# Altium PCB 2-quilter-output.pcbdoc (part 14 of 17) (continued)
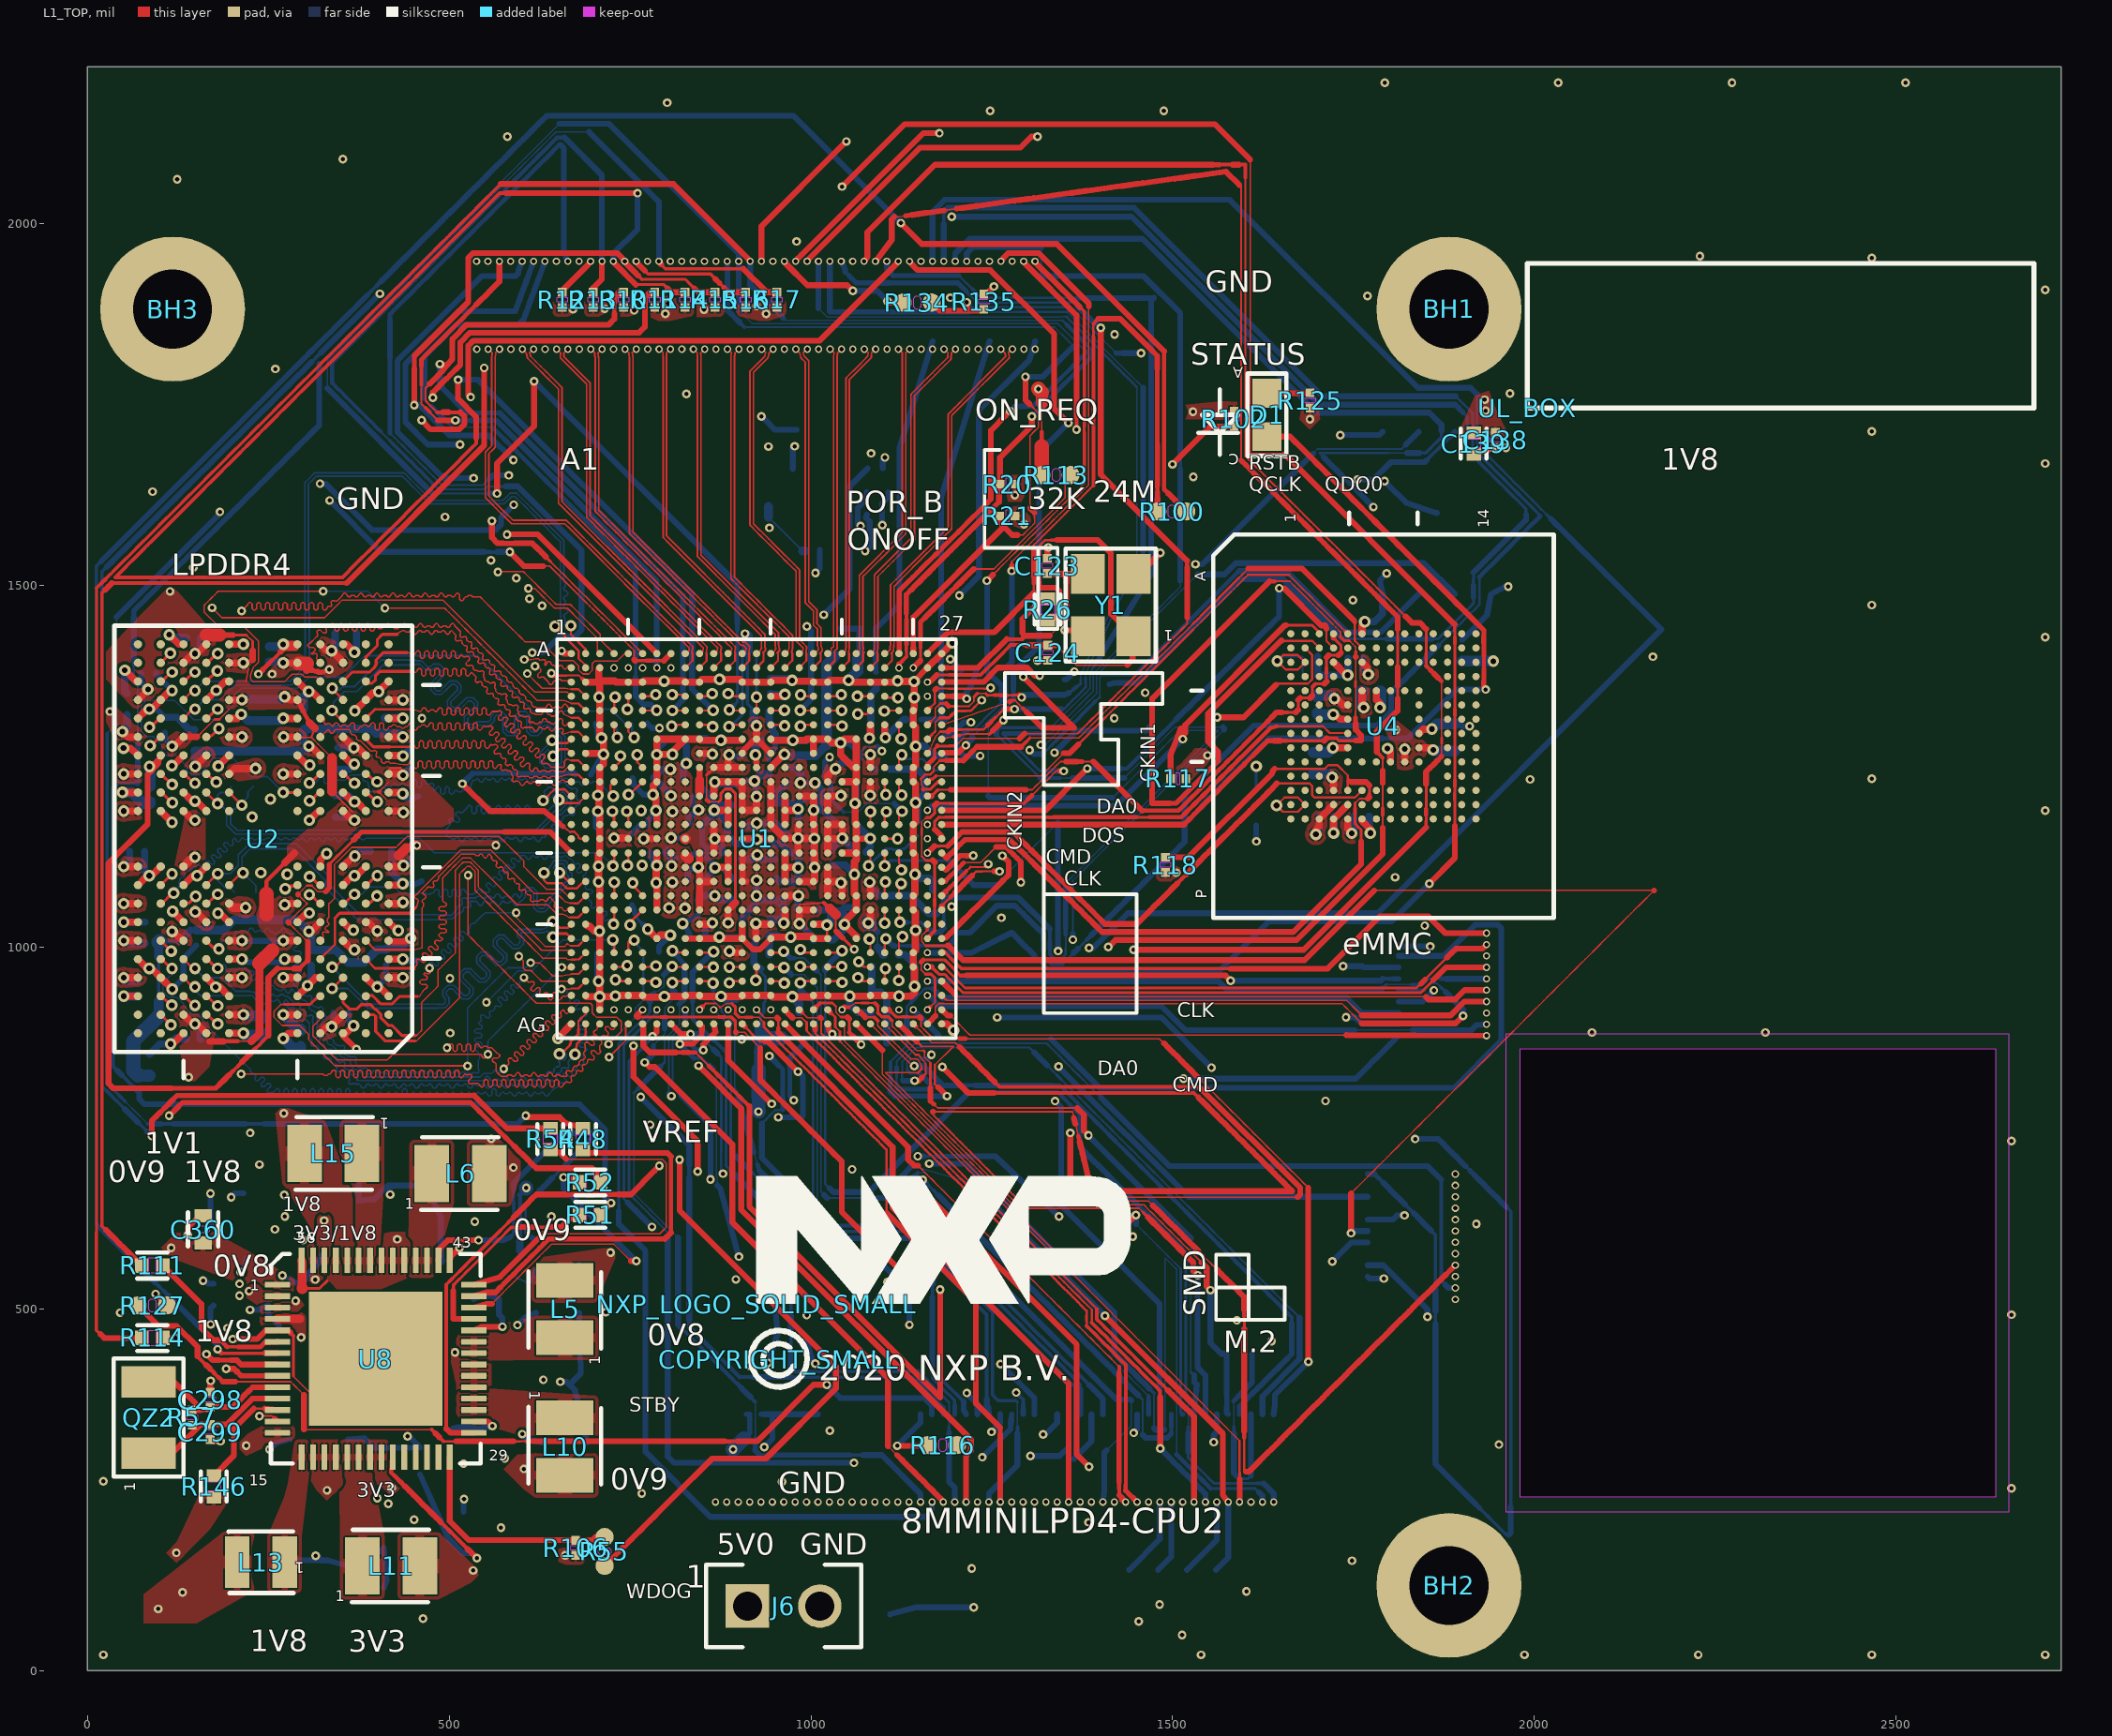
[diagram p0: L1_TOP view]
## Nets (pads, with @x,y where several pads share a name; then routed paths per layer and width w, separated by ;. In a path a pad name is that pad's centre, name@x,y a point inside that pad or via, vN(x,y) a via of type N, cw(c..) or ccw(c..) an arc to the next point about the centre after c; other vN are vias at no path point) (continued)
  L1_TOP w3.37: 1369.91,1280.64 1376.23,1286.96 1382.55,1293.28 1388.87,1299.6 1395.19,1305.92 1401.51,1312.24 1407.83,1318.57 ; 1420.48,1331.21 1426.8,1337.53 1433.12,1343.85 1439.44,1350.17 1445.76,1356.49 1452.08,1362.81 1458.4,1369.13 1464.72,1375.46 1471.04,1381.78 1477.37,1388.1 1483.69,1394.42 1490.01,1400.74 1496.33,1407.06 1502.65,1413.38 1508.97,1419.7 1515.29,1426.03 1521.61,1432.35 1527.94,1438.67 ; 1603.79,1514.52 1611.91,1514.52 1620.03,1514.52 1628.15,1514.52 1636.27,1514.52 1644.39,1514.52 1652.51,1514.52 1660.64,1514.52
  L1_TOP w3.96: U1.K26@1161.11,1228.64 1164.67,1232.18 1168.31,1232.19
  L1_TOP w4.54: 1168.31,1232.19 1173.13,1237.01
  L1_TOP w5.13: 1738.41,1436.75 U4.A5@1741.97,1433.21
  L1_TOP w8.05: 1349.23,1267.99 1357.25,1267.99 1363.58,1274.32 1369.91,1280.64
SD3_DATA3: U1.N26 U4.B2 | length 660.8
  L1_TOP w3: 1643.75,1364.25 1686.76,1364.25 1692.86,1370.35 1692.86,1403.58 U4.B2@1682.91,1413.53
  L1_TOP w8.05: v1(1561.45,1317.7) 1597.94,1317.7 1642.99,1362.75
  L3_INNER1 w6.29: 1170.79,1170.59 1179.46,1170.59 1188.14,1170.59 1196.81,1170.59 1205.48,1170.59 1214.16,1170.59 1222.83,1170.59 1231.5,1170.59 1240.18,1170.59 1248.85,1170.59 1257.52,1170.59 1266.2,1170.59 1274.87,1170.59
  L3_INNER1 w8.05: v3(1161.11,1169.58) 1162.11,1170.59 1170.79,1170.59 ; 1274.87,1170.59 1283.55,1170.59 1292.22,1170.59 1300.89,1170.59 1309.57,1170.59 1318.24,1170.59 1326.91,1170.59 1335.59,1170.59 1344.26,1170.59 1352.94,1170.59 1361.61,1170.59 1370.28,1170.59 1378.84,1170.59 1525.94,1317.7 1551.57,1317.7 v1(1561.45,1317.7)
SD3_DATA4: U1.N27 U4.B3 | length 1682.5
  L1_TOP w2: 1752.82,1325.76 1752.82,1334.16 1752.82,1342.56 ; 1752.82,1367.75 1752.82,1376.15 1752.82,1384.55
  L1_TOP w2.2: 1640.79,1505.79 1647.84,1505.79 1654.9,1505.79 1661.96,1505.79 1668.3,1499.44 1674.65,1493.09 1681,1486.75 1687.34,1480.4 1693.69,1474.05 1700.03,1467.71 1706.38,1461.36 1712.73,1455.02 1719.07,1448.67 1725.42,1442.32 1731.77,1435.98 1731.77,1429.31 ; 1744.33,1423.45 1748.77,1419.01 1752.82,1414.96 1752.82,1408.16 ; 1752.82,1342.56 1752.82,1350.96 1752.82,1359.35 ; 1752.82,1384.55 1752.82,1392.95 1752.82,1401.34
  L1_TOP w2.79: 1752.82,1317.36 1752.82,1325.76
  L1_TOP w3: 1652.17,1423.49 1692.64,1423.49 U4.B3@1702.6,1413.53
  L1_TOP w3.96: 1657.35,1285.31 1666.03,1285.31 1674.7,1285.31 1683.38,1285.31 1692.05,1285.31 1700.72,1285.31 1709.4,1285.31 ; 1737.63,1423.45 1744.33,1423.45 ; 1752.82,1359.35 1752.82,1367.75
  L1_TOP w4.54: 1726.36,1288.88 1729.69,1285.55 1737.31,1285.55 1744.93,1285.55 1752.56,1285.55 ; 1731.77,1429.31 1737.63,1423.45 ; 1752.82,1401.36 1752.82,1408.16
  L1_TOP w5.13: 1712.97,1288.88 1719.67,1288.88 1726.36,1288.88
  L1_TOP w5.71: 1633.73,1505.79 1640.79,1505.79
  L1_TOP w6.29: 1599.5,1253.49 1605.87,1259.85 1612.23,1266.22 ; 1648.68,1285.31 1657.35,1285.31 ; 1752.82,1308.96 1752.82,1317.36
  L1_TOP w6.88: 1198.58,1169.49 1207.42,1169.49 1216.26,1169.49 1225.1,1169.49 1233.93,1169.49 1242.77,1169.49 1251.61,1169.49 1260.45,1169.49 1269.29,1169.49 1278.12,1169.49 1286.96,1169.49 ; 1496.19,1198.94 1504.4,1198.94 1510.26,1204.79 1516.11,1210.65 1521.97,1216.51 1527.83,1222.36 1533.68,1228.22 1539.54,1234.08 1545.4,1239.93 1551.25,1245.79 1557.11,1251.65 1562.97,1257.5 1562.97,1263.77 ; 1516.75,1170.74 1523.12,1177.11 1529.49,1183.47 1535.85,1189.84 1542.22,1196.2 1548.58,1202.57 1554.95,1208.93 1561.31,1215.3 1567.68,1221.66 1574.04,1228.03 1580.41,1234.39 1586.77,1240.76 1593.14,1247.12 1599.5,1253.49 ; 1612.23,1266.22 1618.6,1272.58 1624.96,1278.95 1631.33,1285.31 1640,1285.31
  L1_TOP w8.05: U1.N27@1180.8,1169.58 1180.91,1169.49 1189.75,1169.49 1198.58,1169.49 ; 1286.96,1169.49 1295.8,1169.49 1304.64,1169.49 1313.47,1169.49 1322.31,1169.49 1331.15,1169.49 1339.99,1169.49 1348.83,1169.49 1357.66,1169.49 1366.5,1169.49 1375.34,1169.49 1384.18,1169.49 1393.01,1169.49 1401.85,1169.49 1410.69,1169.49 1419.53,1169.49 1428.37,1169.49 1437.2,1169.49 1446.04,1169.49 1454.88,1169.49 1463.72,1169.49 1472.56,1169.49 1481.39,1169.49 1490.23,1169.49 1499.07,1169.49 1507.91,1169.49 1515.51,1169.49 1516.75,1170.73 ; 1496.19,1198.94 1487.98,1198.94 1479.77,1198.94 1471.56,1198.94 1471.55,1343.62 1633.72,1505.79 ; 1562.97,1263.77 1562.97,1270.03 1548.88,1284.12 1548.88,1322.9 1649.86,1423.88 1650.67,1423.5 ; 1640,1285.31 1648.68,1285.31 ; 1709.4,1285.31 1712.97,1288.88 ; 1752.56,1285.55 1760.18,1285.55 1760.19,1293.23 1752.82,1300.6 1752.82,1308.96
SD3_DATA5: U1.M27 U4.B4 | length 735.2
  L1_TOP w3: 1712.51,1438.53 1712.51,1423.3 U4.B4@1722.28,1413.53
  L1_TOP w8.05: U1.M27@1180.8,1189.27 U1.M27@1180.8,1189.27 1324.47,1189.31 1376.16,1241 v1(1382.01,1246.85) ; v1(1647.14,1496.14) 1653.88,1496.14 1705.26,1444.76 1710.8,1444.76 1712.52,1440.04
  L8_BOT w5.71: 1428.91,1246.85 1436.73,1246.85 1442.92,1253.04 1449.1,1259.23 1455.29,1265.42 1461.48,1271.61 1467.67,1277.8 1473.86,1283.99 1480.05,1290.17 1486.24,1296.36 1492.42,1302.55 1498.61,1308.74 1504.8,1314.93
  L8_BOT w8.05: v1(1382.01,1246.85) 1389.83,1246.85 1397.65,1246.85 1405.46,1246.85 1413.28,1246.85 1421.09,1246.85 1428.91,1246.85 ; 1504.8,1314.93 1510.99,1321.12 1517.18,1327.31 1523.37,1333.49 1529.56,1339.68 1535.74,1345.87 1541.93,1352.06 1548.12,1358.25 1554.31,1364.44 1560.5,1370.63 1566.69,1376.82 1572.88,1383 1579.06,1389.19 1585.25,1395.38 1591.44,1401.57 1597.63,1407.76 1603.82,1413.95 1610.01,1420.14 1616.2,1426.32 1622.38,1432.51 1628.57,1438.7 1634.76,1444.89 1640.95,1451.08 1647.14,1457.27 v1(1647.14,1496.14)
SD3_DATA6: U1.L27 U4.B5
SD3_DATA7: U1.K27 U4.B6 | length 837.6
  L1_TOP w2: 1151.63,1232.25 1153.01,1228.8 1152.74,1226.11 1155.56,1218.5 ; 1302.81,1289.1 1311.23,1289.1 1319.65,1289.1 1328.07,1289.1 1336.48,1289.1 1344.9,1289.1 1353.32,1289.1 1361.74,1289.1 1370.16,1289.1
  L1_TOP w2.2: 1170.01,1243.76 1170.01,1249.81 1175,1254.8 1178.36,1258.16 ; 1370.16,1289.1 1376.49,1295.43 1382.82,1301.76 1389.14,1308.09 1395.47,1314.42 1401.8,1320.75 1408.13,1327.07 1414.46,1333.4 1420.79,1339.73 1427.11,1346.06 1433.44,1352.39 1439.77,1358.72 1446.1,1365.04 1452.43,1371.37 1458.76,1377.7 1465.08,1384.03 1471.41,1390.36 1477.74,1396.69 1484.07,1403.01 1490.4,1409.34 1496.73,1415.67 1503.05,1422 1509.38,1428.33 1515.71,1434.66 1522.04,1440.98 1528.37,1447.31 ; 1597.98,1516.92 1604.31,1523.25
  L1_TOP w2.79: 1591.65,1510.6 1597.98,1516.92
  L1_TOP w3: 1751.73,1447.19 1751.73,1423.45 U4.B6@1761.65,1413.53
  L1_TOP w3.37: 1151.63,1232.25 1154.75,1235.37 1158.27,1238.89 1165.14,1238.89 1168.38,1242.13 1170.01,1243.76 ; 1528.37,1447.31 1534.7,1453.64 1541.02,1459.97 1547.35,1466.3 1553.68,1472.63 1560.01,1478.95 1566.34,1485.28 1572.67,1491.61 1578.99,1497.94 1585.32,1504.27 1591.65,1510.6
  L1_TOP w3.96: 1155.56,1218.49 1160.58,1218.49 1165.72,1218.49
  L1_TOP w4.54: 1165.72,1218.49 1170.79,1223.57 U1.K27@1175.87,1228.64 ; 1178.36,1258.16 1186.45,1258.16 ; 1296.74,1283.04 1302.81,1289.1
  L1_TOP w5.13: U1.K27@1175.87,1228.64 U1.K27@1180.8,1228.64 ; 1290.68,1276.97 1296.74,1283.04
  L1_TOP w5.71: 1750.8,1451.28 1751.73,1448.7
  L1_TOP w6.88: 1186.45,1258.16 1194.53,1258.16 1202.61,1258.16 1210.7,1258.16 ; 1223.25,1270.7 1229.52,1276.97
  L1_TOP w7.46: 1216.98,1264.43 1223.25,1270.7
  L1_TOP w8.05: 1210.7,1258.16 1216.97,1264.43 ; 1229.52,1276.97 1290.68,1276.97 ; 1604.31,1523.25 1678.83,1523.25 1750.8,1451.28
SD3_STROBE: U1.P27 U4.H5 | length 655.1
  L1_TOP w3: 1644.96,1305.4 1707.6,1305.4 1717,1296 1741.39,1296 U4.H5@1741.97,1295.42
  L1_TOP w3.96: 1171.27,1162.72 1171.27,1166.71 1171.27,1173.98 ; 1177.01,1179.72 1185.83,1179.72 ; 1450.25,1179.72 1459.06,1179.72 1467.87,1179.72
  L1_TOP w4.54: 1171.27,1173.98 1177.01,1179.72 ; 1185.83,1179.72 1194.64,1179.72 1203.46,1179.72 1212.27,1179.72 1221.08,1179.72 1229.9,1179.72 1238.71,1179.72 1247.53,1179.72 1256.34,1179.72 1265.15,1179.72 1273.97,1179.72 1282.78,1179.72 1291.6,1179.72 1300.41,1179.72 1309.22,1179.72 1318.04,1179.72 1326.85,1179.72
  L1_TOP w5.13: 1326.85,1179.72 1335.67,1179.72
  L1_TOP w5.71: 1467.87,1179.72 1476.69,1179.72 1485.5,1179.72 1494.32,1179.72 1503.13,1179.72 1511.94,1179.72
  L1_TOP w6.29: 1335.67,1179.72 1344.48,1179.72 1353.29,1179.72 1362.11,1179.72 1370.92,1179.72 1379.74,1179.72 1388.55,1179.72 1397.36,1179.72 1406.18,1179.72 1414.99,1179.72 1423.81,1179.72 1432.62,1179.72 1441.43,1179.72 1450.25,1179.72 ; 1511.94,1179.72 1518.11,1185.88 1524.27,1192.04 1530.43,1198.21 1536.59,1204.37 1542.75,1210.53 1548.91,1216.69 1555.07,1222.85 1561.23,1229.01 1567.39,1235.17 1573.56,1241.33 1579.72,1247.49 1585.88,1253.65 1592.04,1259.82 1598.2,1265.98 1604.36,1272.14 1610.52,1278.3 1616.68,1284.46 1622.84,1290.62 1629,1296.78 1635.17,1302.94 1643.46,1305.39
  L1_TOP w8.05: 1171.27,1162.72 1180.79,1153.2 U1.P27@1180.8,1149.9
SPDIF_EXT_CLK: J5.63 U1.AF8 | length 1086.1
  L1_TOP w8.05: v1(754.98,863.78) 754.98,820.85 843.61,732.21 v1(843.61,690.06)
  L3_INNER1 w2: 769.23,878.03 774.93,883.74 780.64,889.44
  L3_INNER1 w2.79: 921.39,716.6 929.93,716.6 938.47,716.6 944.77,710.29 951.08,703.99 957.38,697.68 963.69,691.38 969.99,685.07 976.3,678.77 982.6,672.46 988.91,666.16 995.21,659.85 1001.52,653.55 1007.82,647.24 1014.13,640.94 1020.43,634.63 1026.74,628.33 1033.04,622.02 1039.35,615.72 1045.65,609.41 1051.96,603.11 1058.26,596.8 1064.57,590.5 1070.87,584.19 1077.18,577.89 1083.48,571.58 1089.79,565.28 1096.09,558.97 1096.09,551 ; 1096.09,527.09 1096.09,535.06 1096.09,543.03
  L3_INNER1 w3.96: 870.15,716.6 878.69,716.6 887.23,716.6 895.77,716.6 904.31,716.6 912.85,716.6 921.39,716.6
  L3_INNER1 w5.71: 1096.09,543.03 1096.09,551
  L3_INNER1 w6.29: 763.53,872.33 769.23,878.03
  L3_INNER1 w6.88: v1(754.98,863.78) 759.25,868.06 763.53,872.33 ; 864.84,711.29 870.15,716.6
  L3_INNER1 w8.05: 780.64,889.44 782.39,889.44 v3(806.78,913.68) ; v1(843.61,690.06) 848.92,695.37 854.23,700.68 859.54,705.98 864.84,711.29 ; 1096.09,527.09 1096.09,519.12 1096.09,511.14 1105.49,501.74 1145.64,501.74 1303.5,343.89 v1(1303.5,296.88)
  L8_BOT w6.88: 1349.92,303.2 1356.24,309.52 ; 1356.24,309.53 1356.24,318.53 1356.24,327.53 1356.24,336.53 1356.24,345.53 J5.63@1356.25,354.53
  L8_BOT w8.05: v1(1303.5,296.88) 1343.6,296.88 1349.92,303.2
SPDIF_RX: J5.59 U1.AG9
SPDIF_TX: J5.57 U1.AF9 | length 869.6
  L3_INNER1 w2: 976.05,713.97 982.06,707.96 988.07,701.95 994.23,695.79 1000.39,689.62 1006.56,683.46 1012.72,677.3 1018.88,671.14 1025.04,664.98 1031.2,658.82 1037.37,652.65 1043.53,646.49 1049.69,640.33 1055.85,634.17 1062.01,628.01 1068.17,621.85 1074.34,615.68 1080.5,609.52 1086.66,603.36 1092.82,597.2 1098.98,591.04 1105.14,584.87 1111.31,578.71 1117.47,572.55 1123.63,566.39 1129.79,560.23 1135.95,554.07 1142.12,547.9 1148.28,541.74 1154.44,535.58 1160.6,529.42 1160.6,521.61 1160.6,513.79
  L3_INNER1 w3.96: 867.23,794.12 875.77,794.12 884.31,794.12 892.85,794.12 901.38,794.12 909.92,794.12 918.46,794.12 927,794.12 935.53,794.12 944.07,794.12 952.61,794.12
  L3_INNER1 w6.88: 1160.6,513.79 1166.58,507.81 1172.57,501.83 1178.55,495.85 1184.53,489.86 1190.51,483.88 1196.49,477.9 1202.48,471.92 1208.46,465.93 1214.44,459.95 1220.42,453.97 1226.41,447.99 1232.39,442.01 1238.37,436.02 1244.35,430.04 1250.33,424.06
  L3_INNER1 w7.46: 952.61,794.12 958.47,788.26
  L3_INNER1 w8.05: v1(807.38,794.2) 807.47,794.12 816,794.12 824.54,794.12 833.08,794.12 841.62,794.12 850.16,794.12 858.69,794.12 867.23,794.12 ; 958.47,788.26 964.33,782.4 970.19,776.54 976.05,770.68 ; 976.05,713.97 976.05,770.67 ; 1250.33,424.06 v1(1261.83,424.06)
  L8_BOT w2: v1@803.73,797.86 803.73,806.13 803.73,814.39 803.73,822.66 803.73,830.93 803.73,839.2 803.73,847.47 803.73,855.74 803.73,864.01 803.73,872.28 809.41,877.96 815.1,883.65 820.79,889.34 826.48,895.03
  L8_BOT w7.46: 1286.49,399.4 1292.12,393.78 1297.74,388.15
  L8_BOT w8.05: v1@803.73,797.86 v1(807.38,794.2) ; 826.48,895.03 v3(826.47,913.68) ; v1(1261.83,424.06) 1269.61,416.28 1275.24,410.66 1280.86,405.03 1286.49,399.4 ; 1297.74,388.15 1303.37,382.52 1309,376.9 J5.57@1309.01,354.53
SWOUT_3V3: C410.1 U8.23 | length 336
  L1_TOP w5.71: U8.23@421.23,286.66 420.16,277.91 420.16,273.94 426.37,267.73 ; 488.44,205.66 494.65,199.45 500.86,193.24 507.07,187.03 513.27,180.83 519.48,174.62 525.69,168.41
  L1_TOP w6.29: 426.37,267.73 432.57,261.53
  L1_TOP w6.88: 432.57,261.53 438.78,255.32
  L1_TOP w7.46: U8.23@421.23,286.66 U8.23@422.31,295.4
  L1_TOP w8.05: 438.78,255.32 444.99,249.11 451.2,242.9 457.4,236.7 463.61,230.49 469.82,224.28 476.03,218.07 482.23,211.86 488.44,205.66 ; 525.69,168.41 531.9,162.2 v1(538.47,155.63)
  L8_BOT w8.05: C410.1@460,271 499.32,182.63 ; 499.32,182.62 519.25,162.7 531.4,162.7 v1(538.47,155.63)
SYS_NRST: J5.39 R127.1 | length 1266.9
  L1_TOP w2: 281.23,399.72 287.36,393.59 293.49,387.46 299.62,381.33 ; 299.62,333.41 308.43,333.41 317.24,333.41 326.05,333.41 334.86,333.41 343.67,333.41 352.48,333.41 361.29,333.41 370.1,333.41 378.91,333.41 387.72,333.41 396.54,333.41 405.35,333.41 414.16,333.41 422.97,333.41 431.78,333.41 440.59,333.41 449.4,333.41 458.21,333.41 467.02,333.41 475.83,333.41
  L1_TOP w2.2: 204.31,399.72 212.85,399.72 221.4,399.72 229.95,399.72 238.49,399.72 247.04,399.72 255.59,399.72 264.13,399.72 272.68,399.72 281.23,399.72
  L1_TOP w2.79: 598.25,317.21 607.1,317.21
  L1_TOP w3.37: 492.03,317.21 500.88,317.21 509.73,317.21 ; 589.4,317.21 598.25,317.21
  L1_TOP w5.13: 152.37,434.56 158.19,428.75 163.99,422.95 ; 175.6,411.33 181.41,405.53 ; 475.83,333.41 481.23,328.01 ; 486.63,322.61 492.03,317.21 ; 890.36,317.21 899.22,317.21
  L1_TOP w5.71: 607.1,317.21 615.95,317.21 ; 881.51,317.21 890.36,317.21
  L1_TOP w6.29: 169.8,417.14 175.6,411.33 ; 181.41,405.53 187.21,399.72
  L1_TOP w7.46: R127.1@75.69,499.31 81.38,493.62 87.06,487.94 ; 509.73,317.21 518.58,317.21
  L1_TOP w8.05: R127.1@70,505 R127.1@75.69,499.31 ; 87.06,487.94 92.75,482.25 98.44,476.56 123.62,476.56 152.37,447.81 152.37,434.56 ; 163.99,422.95 169.8,417.14 ; 187.21,399.72 195.76,399.72 204.31,399.72 ; 299.62,333.41 299.62,381.33 ; 481.23,328.01 486.63,322.61 ; 518.58,317.21 527.44,317.21 536.29,317.21 545.14,317.21 553.99,317.21 562.84,317.21 571.7,317.21 580.55,317.21 589.4,317.21 ; 615.95,317.21 624.81,317.21 633.66,317.21 642.51,317.21 651.36,317.21 660.21,317.21 669.07,317.21 677.92,317.21 686.77,317.21 695.62,317.21 704.47,317.21 713.33,317.21 722.18,317.21 731.03,317.21 739.88,317.21 748.73,317.21 757.59,317.21 766.44,317.21 775.29,317.21 784.14,317.21 792.99,317.21 801.84,317.21 810.7,317.21 819.55,317.21 828.4,317.21 837.25,317.21 846.1,317.21 854.96,317.21 863.81,317.21 872.66,317.21 881.51,317.21 ; 899.22,317.21 908.07,317.21 916.92,317.21 925.67,317.21 1003.84,395.38 1013.73,395.38 v1(1022.04,395.38)
  L8_BOT w8.05: v1(1022.04,395.38) 1029.41,388.01 1040.4,377.02 1156.31,377.02 1167.28,366.05 J5.39@1167.28,354.53
SYS_STATUS: Q1.1 U1.P26 | length 702.6
  L3_INNER1 w2: 1143.66,1135.43 1149.11,1129.98 1154.56,1124.53 1160.79,1120.04 1167.02,1115.54
  L3_INNER1 w2.2: 1107.98,1142.53 1107.98,1149.63 1107.98,1156.72 ; 1111.53,1138.98 1115.08,1135.43 1116.91,1135.43 1125.82,1135.43 1134.74,1135.43 1143.66,1135.43
  L3_INNER1 w2.79: 1107.98,1156.72 1107.98,1163.82 ; 1167.02,1115.54 1173.26,1111.04
  L3_INNER1 w3.37: 1107.98,1142.53 1111.53,1138.98
  L3_INNER1 w5.13: 1116.28,1163.82 1124.57,1163.82 1129.21,1159.18 1133.85,1154.54 ; 1173.26,1111.04 1179.49,1106.55
  L3_INNER1 w5.71: 1230.05,1115.64 1235.87,1121.46 1241.68,1127.27
  L3_INNER1 w6.29: 1107.99,1163.82 1116.28,1163.82
  L3_INNER1 w6.88: 1133.85,1154.54 1138.49,1149.9 ; 1224.23,1109.82 1230.05,1115.64
  L3_INNER1 w8.05: 1138.49,1149.9 1156.06,1149.9 v3(1161.11,1149.9) ; 1179.49,1106.55 1193.67,1092.37 1206.78,1092.37 1212.6,1098.19 1218.41,1104 1224.23,1109.82 ; 1241.68,1127.27 1247.5,1133.09 1253.32,1138.91 1504.35,1138.91 v2@1615.45,1250
  L8_BOT w4.1: Q1.1@1615.47,1219.5 v2(1615.47,1250)
TEST_MODE: J4.56 R134.2 | length 187.6
  L1_TOP w8.05: v3(963.26,1947.75) 966.3,1943.72 995.19,1914.83 1050.22,1914.83 1050.34,1914.71 v1(1058.05,1906.99) ; v1(1105.81,1892.7) 1107.52,1891 R134.2@1127,1891
  L8_BOT w8.05: v1(1058.05,1906.99) 1091.52,1906.99 v1(1105.81,1892.7)
TESTMODE: R134.1 R135.1 U1.D26 | length 1028.2
  L1_TOP w8.05: R134.1@1167,1891 1178.41,1879.58 1213.76,1879.58 ; v1(1215.6,1891.22) 1215.6,1881.42 1213.76,1879.57 1233.28,1879.57 R135.1@1239,1881.49
  L3_INNER1 w7.46: 1241.83,1329.54 1247.9,1335.6
  L3_INNER1 w8.05: v3(1161.11,1346.75) 1164.67,1343.21 1179.06,1328.81 1241.11,1328.81 1241.83,1329.54 ; 1247.9,1335.6 1253.96,1341.67 1260.03,1347.73 1266.09,1353.8 1266.28,1353.98 1266.28,1389.12 1449.41,1572.25 1449.41,1813.93 1449.59,1814.11 v1(1456.45,1820.97)
  L8_BOT w2: 1358.58,1884.48 1364.93,1878.13 1371.28,1871.78 1377.63,1865.43 1383.98,1859.08 1390.33,1852.73 1396.68,1846.38 1403.03,1840.03 1409.38,1833.68 1415.73,1827.33 1422.08,1820.97
  L8_BOT w3.37: v1@1218.98,1887.85 1222.35,1884.48 1230.86,1884.48 1239.38,1884.48 1247.89,1884.48 1256.4,1884.48 1264.92,1884.48 1273.43,1884.48 1281.95,1884.48 1290.46,1884.48 1298.98,1884.48 1307.49,1884.48 1316.01,1884.48 1324.52,1884.48 1333.03,1884.48 1341.55,1884.48 1350.06,1884.48 1358.58,1884.48
  L8_BOT w6.88: v1(1215.6,1891.22) v1@1218.98,1887.85
  L8_BOT w7.46: 1422.08,1820.97 1430.68,1820.97
  L8_BOT w8.05: 1430.68,1820.97 1439.27,1820.97 1447.86,1820.97 v1(1456.45,1820.97)
TS_RES_EXT: R103.1 U1.J24 | length 87
  L1_TOP w3: U1.J24@1121.74,1248.32 1121.74,1262.01 v2(1125.7,1265.97)
  L8_BOT w3: v2(1125.7,1265.97) 1131.77,1259.9 1154.89,1259.9 1170.4,1244.39 R103.1@1184.52,1244.39
TS_TEST_OUT: U1.J23
UART1_CTS: J8.5 U1.E18 | length 1636.6
  L1_TOP w3: v2(985.28,1327.22) 985.43,1327.06 U1.E18@1003.63,1327.06
  L3_INNER1 w2: 1149.6,1122.37 1154.58,1118.87 1159.56,1115.37 1165.67,1109.26 1171.78,1103.14 1177.89,1097.03 1184,1090.92 1190.11,1084.81 1196.22,1078.7 ; 1196.23,1078.7 1204.68,1078.7 1213.13,1078.7 1221.58,1078.7 1230.03,1078.7 1238.47,1078.7 1246.92,1078.7 1255.37,1078.7 1263.82,1078.7
  L3_INNER1 w2.2: 1108.77,1130.21 1109.66,1130.21 1117.68,1130.21 1125.71,1130.21 1133.74,1130.21 1141.77,1130.21 1145.68,1126.29 1149.6,1122.37
  L3_INNER1 w2.79: 1105.06,1133.93 1108.77,1130.21
  L3_INNER1 w3.37: 1101.34,1159.11 1101.34,1151.96 1101.34,1144.8 1101.34,1137.65 1105.06,1133.93
  L3_INNER1 w3.96: 1087.08,1173.36 1091.84,1168.61 1096.59,1163.86 1101.34,1159.11 ; 1294.24,1100.57 1299.3,1095.51 1304.35,1090.45 1309.41,1085.39 1318.24,1085.39 1327.07,1085.39 1335.9,1085.39 1344.73,1085.39 1353.56,1085.39 1362.39,1085.39 1371.22,1085.39 1380.04,1085.39 1388.87,1085.39 1397.7,1085.39 1406.53,1085.39 1415.36,1085.39 1424.19,1085.39 1433.02,1085.39 1441.85,1085.39 1450.67,1085.39 1459.5,1085.39 1468.33,1085.39 1477.16,1085.39 1485.99,1085.39 1494.82,1085.39 1503.65,1085.39 1512.48,1085.39 1521.31,1085.39 1530.13,1085.39 1538.96,1085.39 1547.79,1085.39 1556.62,1085.39 1565.45,1085.39 1574.28,1085.39 1583.11,1085.39 1591.94,1085.39 1600.77,1085.39 1609.59,1085.39 1618.42,1085.39 1627.25,1085.39 1636.08,1085.39 1644.91,1085.39 1653.74,1085.39 1662.57,1085.39 1668.81,1079.15 1675.05,1072.9 1681.3,1066.66 1687.54,1060.42 1693.78,1054.17 1700.03,1047.93 1706.27,1041.69 1712.51,1035.44 1718.76,1029.2 1725,1022.96 1731.24,1016.71 1737.48,1010.47 1743.73,1004.23 1749.97,997.99 1756.21,991.74 1762.46,985.5 1768.7,979.26 1774.94,973.01 1781.19,966.77 1787.43,960.53 1793.67,954.28 1799.92,948.04 1806.16,941.8 1812.4,935.55 1818.65,929.31 1824.89,923.07 1831.13,916.82 1837.37,910.58 1843.62,904.34 1849.86,898.1 1856.1,891.85 1862.35,885.61 1868.59,879.37 1874.83,873.12 1881.08,866.88 1881.08,858.05 ; 1881.08,663.69 1881.08,672.53 1881.08,681.36 1881.08,690.2 1881.08,699.03
  L3_INNER1 w4.54: 1263.82,1078.7 1269.29,1084.17 ; 1280.22,1095.1 1285.69,1100.57 1294.24,1100.57
  L3_INNER1 w5.13: 1274.76,1089.63 1280.22,1095.1
  L3_INNER1 w6.29: 1004.49,1433.3 1009.44,1428.35 1009.44,1419.56 1009.44,1410.77 1009.44,1401.98 1009.44,1393.19 1009.44,1384.4 1009.44,1375.61 1009.44,1366.82 1009.44,1358.03 1009.44,1349.24 1009.44,1340.45 1009.44,1331.66 1009.44,1322.87 1009.44,1314.09 1009.44,1305.3 1009.44,1296.51
  L3_INNER1 w6.88: 1054.99,1173.94 1055.57,1173.36 1063.45,1173.36 1071.33,1173.36 1079.21,1173.36 1087.08,1173.36
  L3_INNER1 w8.05: v1(994.59,1443.2) 999.54,1438.25 1004.49,1433.3 ; 1009.44,1296.51 1009.44,1287.72 1009.44,1278.93 1009.44,1270.14 1009.44,1261.35 1009.44,1252.56 1009.44,1243.77 1020.22,1232.99 1020.22,1208.72 1054.99,1173.95 ; 1269.29,1084.17 1274.76,1089.63 ; 1881.08,663.68 1886.59,658.17 v3(1890.63,655.12) ; 1881.08,699.03 1881.08,707.86 1881.08,716.7 1881.08,725.53 1881.08,734.37 1881.08,743.2 1881.08,752.03 1881.08,760.87 1881.08,769.7 1881.08,778.54 1881.08,787.37 1881.08,796.21 1881.08,805.04 1881.08,813.87 1881.08,822.71 1881.08,831.54 1881.08,840.38 1881.08,849.21 1881.08,858.05
  L8_BOT w8.05: v2(985.28,1327.22) 1000.3,1342.23 1000.3,1437.49 v1(994.59,1443.2)
UART1_RTS: J8.13 U1.D18 | length 1678.8
  L1_TOP w3: v2(985.67,1348.92) 987.83,1346.75 U1.D18@1003.63,1346.75
  L3_INNER1 w2: 951.64,1348.95 951.64,1340.11 951.64,1331.28 951.64,1322.44 951.64,1313.6 951.64,1304.77 951.64,1295.93 951.64,1287.1 951.64,1278.26 951.64,1269.43 951.64,1260.59 951.64,1251.76 951.64,1242.92 951.64,1234.09 951.64,1225.25 951.64,1216.42 956.96,1211.09 962.28,1205.77 ; 951.64,1419.63 951.64,1428.46 957.3,1422.81 962.96,1417.16 968.61,1411.5 974.27,1405.84 979.93,1400.19 985.58,1394.53 985.58,1392.59 985.6,1383.85 985.62,1375.12 985.65,1366.39 985.67,1357.65 v2(985.67,1348.92) ; 1142.89,1119.37 1150.17,1116.86 1154.61,1113.25 1159.06,1109.64 1165.23,1103.47 1171.4,1097.29 1177.57,1091.12 1183.74,1084.95 1189.91,1078.78 1196.08,1072.61 1196.4,1072.61 ; 1196.43,1072.6 1205.32,1072.6 1214.21,1072.6 1223.1,1072.6 1231.99,1072.6 1240.88,1072.6 1249.77,1072.6 1258.66,1072.6 1267.55,1072.6 1276.44,1072.6 1285.33,1072.6 1294.22,1072.6 1303.11,1072.6 1312,1072.6 1320.89,1072.6 1329.78,1072.6 1338.67,1072.6 1347.56,1072.6 1356.45,1072.6 1365.34,1072.6 1374.23,1072.6 1383.13,1072.6 1392.02,1072.6 1400.91,1072.6 1409.8,1072.6 1418.69,1072.6 1427.58,1072.6 1436.47,1072.6 1445.36,1072.6 1454.25,1072.6 1463.14,1072.6 1472.03,1072.6 1480.92,1072.6 1489.81,1072.6 1498.7,1072.6 1507.59,1072.6 1516.48,1072.6 1525.37,1072.6 1534.26,1072.6 1543.15,1072.6 1552.04,1072.6 1560.93,1072.6 1569.82,1072.6 1578.72,1072.6 1587.61,1072.6 1596.5,1072.6 1605.39,1072.6 1614.28,1072.6 1623.17,1072.6 1632.06,1072.6 1640.95,1072.6 1649.84,1072.6 1656,1066.44 1662.17,1060.27 1668.33,1054.11 1674.49,1047.94 1680.66,1041.78 1686.82,1035.62 1692.99,1029.45 1699.15,1023.29 1705.31,1017.13 1711.48,1010.96 1717.64,1004.8 1723.81,998.63 1729.97,992.47 1736.13,986.31 1742.3,980.14 1748.46,973.98 1754.63,967.81 1760.79,961.65 1766.95,955.49 1773.12,949.32 1779.28,943.16 1785.45,936.99 1791.61,930.83 1797.77,924.67 1803.94,918.5 1810.1,912.34 1816.26,906.17 1820.5,901.94
  L3_INNER1 w2.79: 1094.67,1124.4 1103.08,1124.4 1111.5,1124.4
  L3_INNER1 w3.37: 951.64,1348.95 951.64,1357.78 ; 1111.5,1124.4 1119.91,1124.4 1128.33,1124.4 1135.61,1121.88 1142.89,1119.37
  L3_INNER1 w3.96: 1085.54,1164.63 1090.1,1160.07 1094.66,1155.51 1094.66,1147.74 1094.66,1139.96 1094.66,1132.18
  L3_INNER1 w4.54: 1048.93,1164.63 1056.25,1164.63 1063.57,1164.63 1070.89,1164.63 1078.22,1164.63 1085.54,1164.63
  L3_INNER1 w6.29: 1094.66,1124.41 1094.66,1132.18
  L3_INNER1 w7.46: 1007.78,1205.77 1013.66,1199.89 1019.54,1194.02 1025.42,1188.14 1031.29,1182.26 1037.17,1176.38 1043.05,1170.51 1048.93,1164.63
  L3_INNER1 w8.05: 951.64,1357.78 951.64,1366.62 951.64,1375.45 951.64,1384.29 951.64,1393.12 951.64,1401.96 951.64,1410.79 951.64,1419.63 ; 962.28,1205.77 1007.78,1205.77 ; 1820.5,901.94 1820.5,661.27 1886.59,595.18 v3(1890.63,592.13)
UART1_RXD: J8.11 U1.E14 | length 72.6
  L1_TOP w3: U1.E14@924.89,1327.06 v2(924.89,1345.62)
  L8_BOT w4.1: v2(924.89,1345.62) 924.89,1399.68
  other v3: 1890.63,607.87
UART1_TXD: J8.7 U1.F13 | length 123.3
  L1_TOP w3: v2(886.83,1304.74) 889.47,1307.38 U1.F13@905.21,1307.38
  L8_BOT w4.1: v2(886.83,1304.74) 888.95,1304.74 905.31,1321.1 905.31,1399.68
  other v3: 1890.63,639.37
UART2_RXD: J4.36 U1.F15 | length 19.8
  L1_TOP w3: U1.F15@944.57,1307.38 962.29,1307.38 v2(963.76,1305.91)
  other v3: 805.78,1947.75
UART2_TXD: J4.38 U1.E15 | length 19.2
  L1_TOP w3: U1.E15@944.57,1327.06 963.02,1327.06 v2(963.58,1327.62)
  other v3: 821.53,1947.75
UART3_CTS: J4.10 U1.A7 | length 848.5
  L1_TOP w8.05: v1(580.21,1570.47) 592.02,1570.47 622.43,1570.47 U1.A7@787.09,1405.81
  L3_INNER1 w8.05: v1(533.9,1648.29) 533.9,1596.56 559.99,1570.47 v1(580.21,1570.47)
  L8_BOT w8.05: v1(533.9,1648.29) 492.49,1648.29 428.66,1712.11 428.66,1810.42 545.94,1927.69 592.01,1927.69 595.85,1931.53 595.85,1934.72 v3(601.06,1947.75)
UART3_RTS: J4.2 U1.B6 | length 867.3
  L3_INNER1 w6.29: 391.76,1906.97 396.06,1911.27 400.37,1915.58 ; 455.46,1762.22 461.84,1755.85 468.21,1749.48 ; 647.86,1514.17 654.16,1507.88 660.45,1501.58 666.74,1495.29 673.03,1489 679.32,1482.71 685.61,1476.42 691.9,1470.13 698.2,1463.84 704.49,1457.54 710.78,1451.25 717.07,1444.96 723.36,1438.67 729.65,1432.38 735.94,1426.09 ; 742.24,1419.79 748.53,1413.5 754.82,1407.21 761.11,1400.92 767.4,1394.63
  L3_INNER1 w6.88: 572.34,1558.21 580.21,1558.21 588.08,1558.21 ; 595.95,1558.21 603.82,1558.21 610.12,1551.92 616.41,1545.62 622.7,1539.33 628.99,1533.04 635.28,1526.75 641.57,1520.46 647.86,1514.17 ; 735.94,1426.09 742.24,1419.79 ; v3(767.41,1386.12) 767.4,1394.63
  L3_INNER1 w8.05: 391.76,1906.97 391.76,1825.92 398.13,1819.55 404.5,1813.18 410.87,1806.81 417.24,1800.44 423.61,1794.07 429.98,1787.7 436.35,1781.33 442.72,1774.96 449.1,1768.59 455.46,1762.22 ; 400.37,1915.58 505.88,1915.58 v3(538.06,1947.75) ; 468.21,1749.48 474.58,1743.11 474.58,1728.41 474.58,1640.23 556.6,1558.21 564.46,1558.21 572.34,1558.21 ; 588.08,1558.21 595.95,1558.21
UART3_RXD: J4.4 U1.D6 | length 763.7
  L1_TOP w3: U1.D6@767.41,1346.75 783.23,1346.75 v2(785.61,1349.13)
  L3_INNER1 w2: 782.61,1369.31 787.48,1374.18 792.35,1379.05 796.64,1383.34
  L3_INNER1 w2.2: 502.79,1769.73 502.79,1778.62 502.79,1787.51 502.79,1796.4 502.79,1805.29 502.79,1814.18
  L3_INNER1 w2.79: 579.39,1614.34 579.39,1606.93 585.61,1600.7 591.83,1594.48 598.06,1588.25 604.28,1582.03 610.5,1575.81 616.73,1569.58 622.95,1563.36 629.18,1557.14 635.4,1550.91 641.62,1544.69 647.85,1538.46 654.07,1532.24 660.29,1526.02 666.52,1519.79 672.74,1513.57 678.97,1507.35 685.19,1501.12 691.41,1494.9 697.64,1488.67 703.86,1482.45 710.08,1476.23 716.31,1470 722.53,1463.78 728.76,1457.56 734.98,1451.33 741.2,1445.11 747.43,1438.88 753.65,1432.66 759.87,1426.44 766.1,1420.21 772.32,1413.99 778.55,1407.77 784.77,1401.54
  L3_INNER1 w3.37: 579.39,1614.34 579.39,1621.76 ; 784.77,1401.54 790.99,1395.32 796.64,1389.67
  L3_INNER1 w3.96: 796.64,1383.34 796.64,1389.67
  L3_INNER1 w4.54: 502.79,1814.18 502.79,1821.01 ; 563.14,1645.43 568.56,1640.01 573.97,1634.6 579.39,1629.18 579.39,1621.76
  L3_INNER1 w5.13: 563.14,1645.43 563.14,1653.12 563.14,1660.82 563.14,1668.51 563.14,1676.2
  L3_INNER1 w6.88: 502.79,1760.84 502.79,1769.73 ; 563.14,1676.2 563.14,1683.9
  L3_INNER1 w8.05: 502.79,1760.84 502.79,1751.94 563.14,1691.59 563.14,1683.9 ; 502.79,1821.01 502.79,1827.83 502.79,1834.66 502.79,1880.27 v3(553.81,1947.75) ; 782.61,1369.31 782.61,1352.12 v2(785.61,1349.13)
UART3_TXD: J4.6 U1.B7 | length 788
  L1_TOP w2.79: 461.74,1777.26 461.74,1768.55 461.74,1759.84 461.74,1751.14 467.49,1745.38 ; 473.24,1739.63 478.99,1733.88 484.74,1728.13
  L1_TOP w5.13: 461.74,1777.26 461.74,1785.97 461.74,1794.67 461.74,1803.38 ; 467.49,1745.38 473.24,1739.63
  L1_TOP w6.29: 461.74,1803.38 461.74,1812.09 468.08,1818.43 474.42,1824.78 480.77,1831.12 487.11,1837.46 493.45,1843.8 499.8,1850.15 506.14,1856.49 512.48,1862.83 518.82,1869.18 525.17,1875.52 531.51,1881.86 537.85,1888.21
  L1_TOP w8.05: 484.74,1728.13 497.2,1728.13 v1(508.83,1728.13) ; 537.85,1888.21 544.2,1894.55 550.54,1900.89 556.88,1907.23 563.22,1913.58 569.57,1919.92 v3(569.56,1947.75)
  L8_BOT w6.29: 520.92,1728.13 529.7,1728.13 ; 556.06,1728.13 564.85,1728.13
  L8_BOT w7.46: 547.28,1728.13 556.06,1728.13
  L8_BOT w8.05: v1(508.83,1728.13) 520.92,1728.13 ; 529.7,1728.13 538.49,1728.13 547.28,1728.13 ; 564.85,1728.13 787.08,1505.9 v3(787.09,1386.12)